# KiCad board 2000ATX.kicad_pcb (continued)
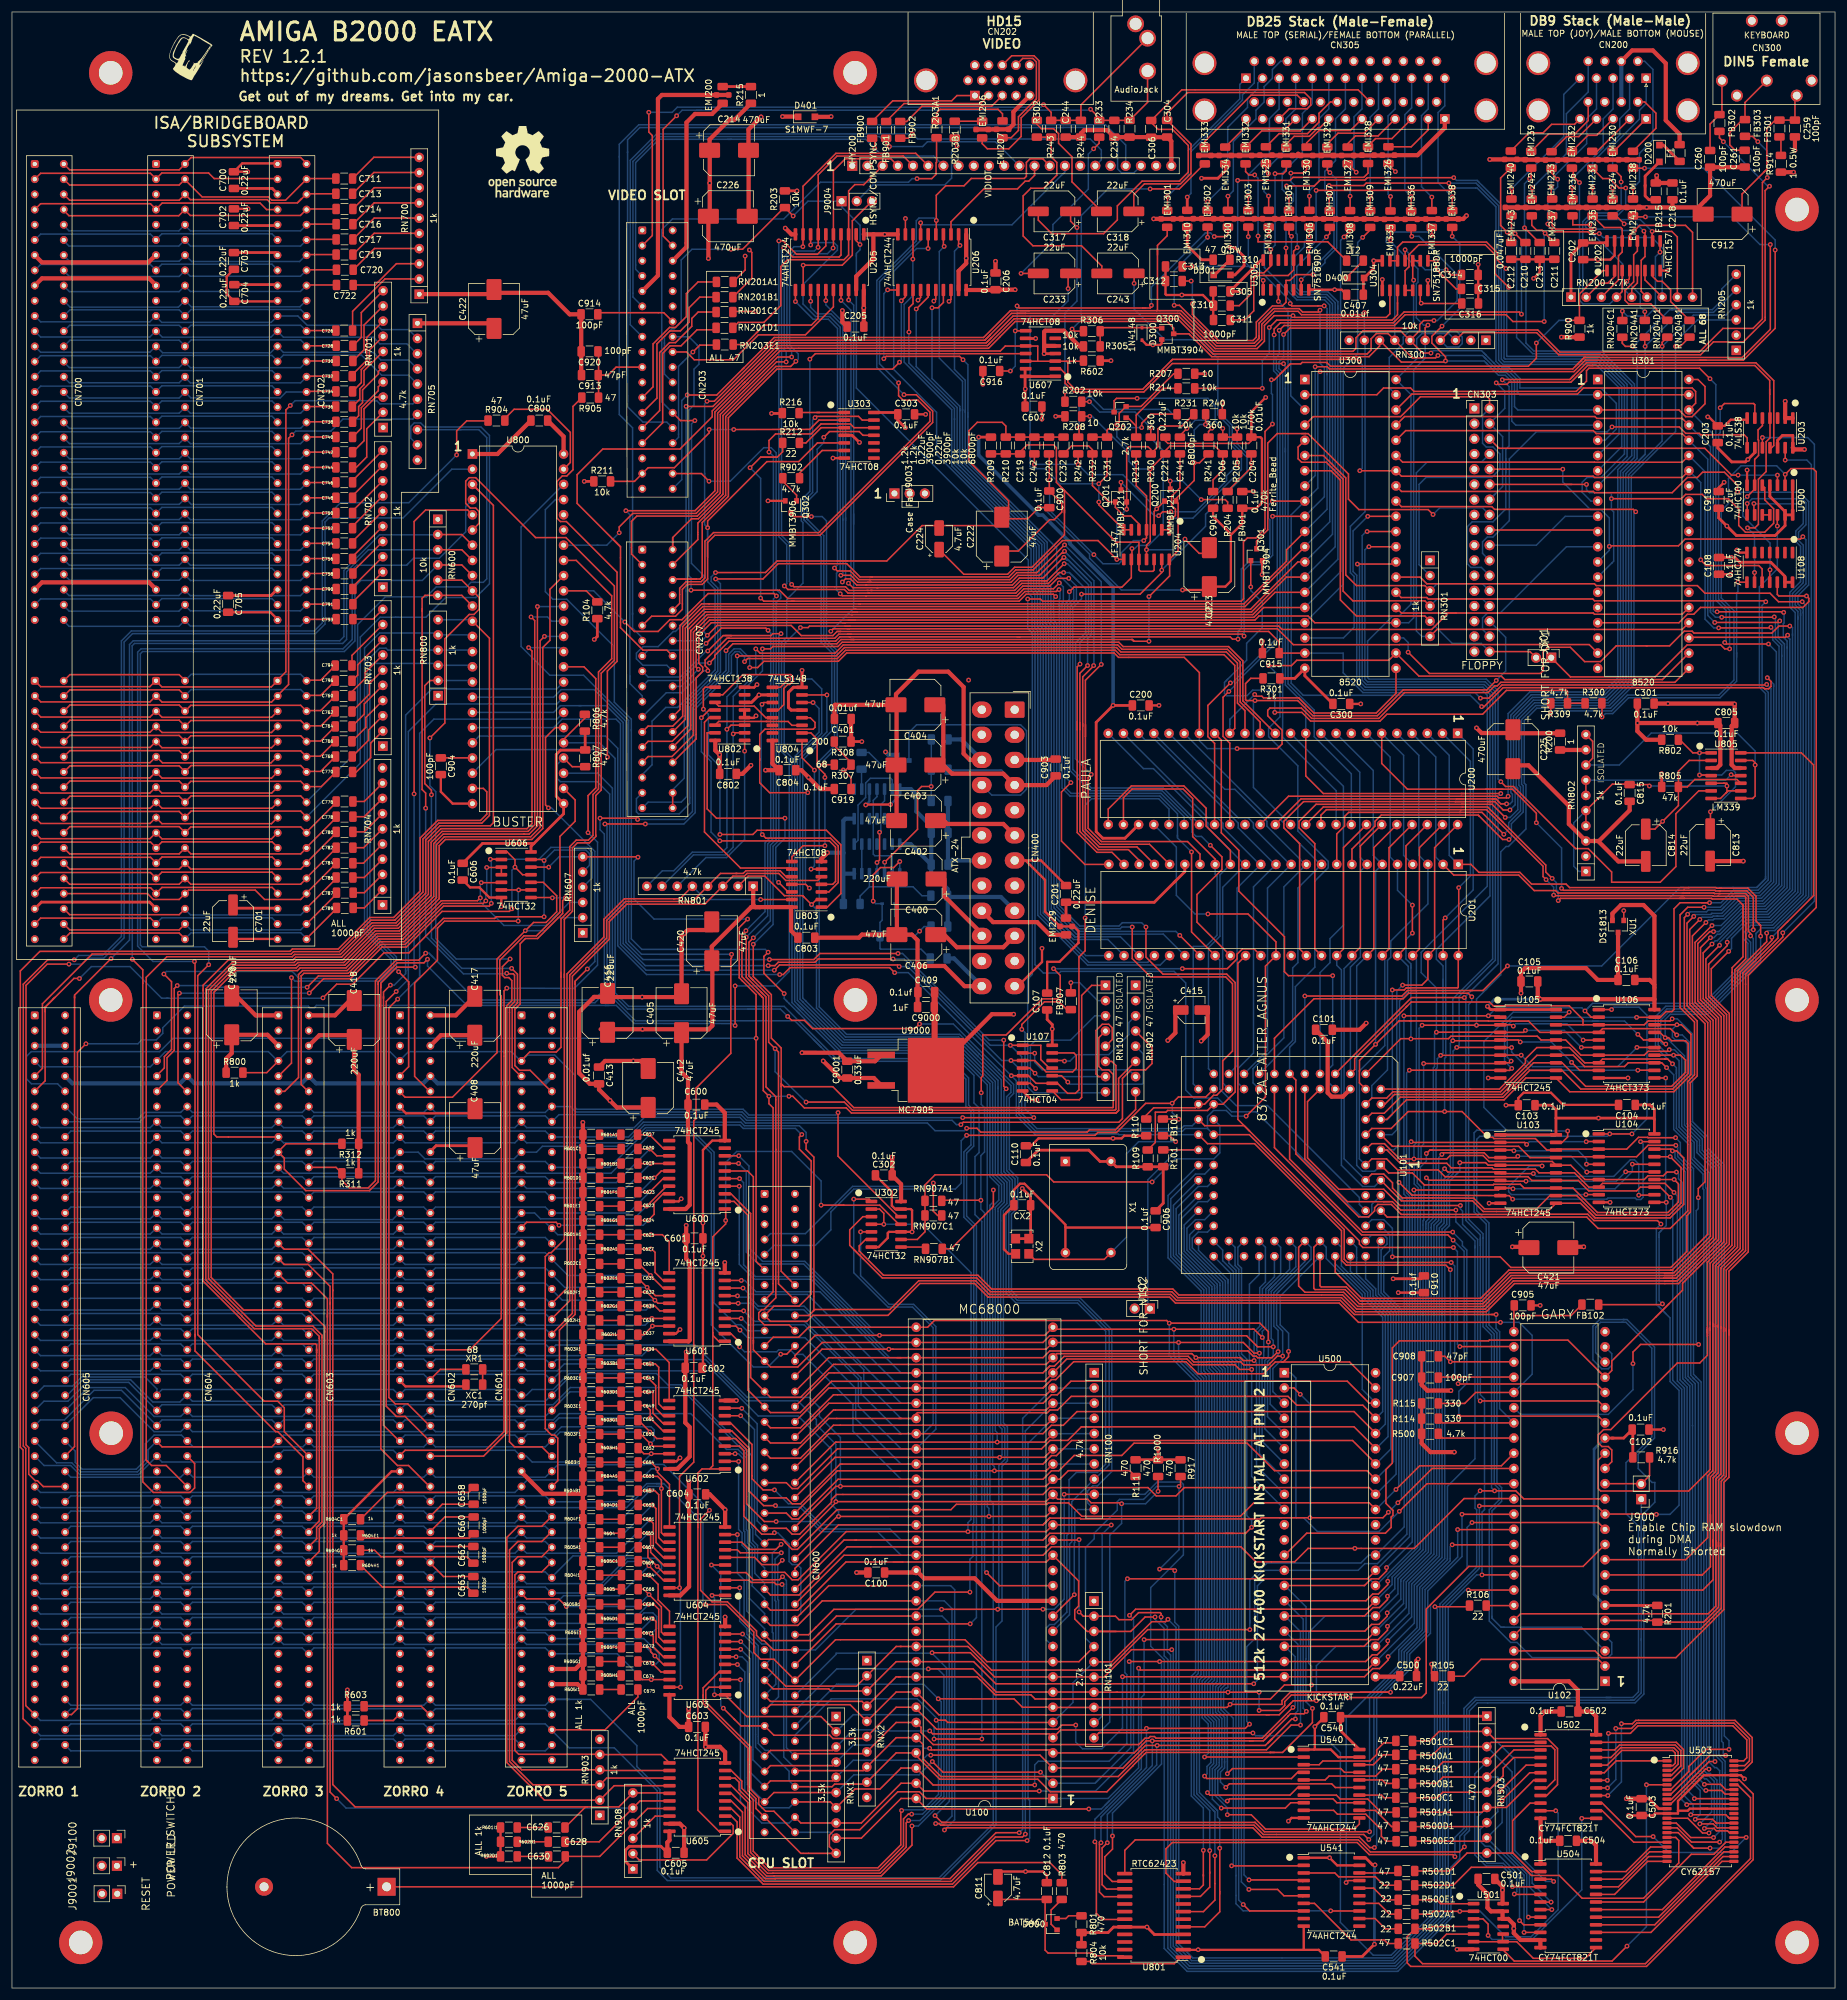
[diagram p0: board, top side]
## Routing (per net, layer and track width the routed paths; a pad name or vN(x,y) marks a point on that pad's centre or on a via; arc(x,y) is an arc through that point) (continued)
  Bottom w0.25: 44.4,246.48 43.47,247.41 25.06,247.41 24.08,246.43 23.15,247.36 4.79,247.36 CN700.B24
Net-(CN700-PadB25): length 42.2
  Bottom w0.25: 44.4,243.94 43.47,244.87 25.06,244.87 24.08,243.89 23.15,244.82 4.79,244.82 CN700.B25
Net-(CN700-PadB26): length 42.2
  Bottom w0.25: 44.4,241.4 43.47,242.33 25.06,242.33 24.08,241.35 23.15,242.28 4.79,242.28 CN700.B26
Net-(CN700-PadB27): length 42.2
  Bottom w0.25: 44.4,238.86 43.47,239.79 25.06,239.79 24.08,238.81 23.15,239.74 4.79,239.74 CN700.B27
Net-(CN700-PadB28): length 42.2
  Bottom w0.25: 44.4,236.32 43.47,237.25 25.06,237.25 24.08,236.27 23.15,237.2 4.79,237.2 CN700.B28
Net-(CN700-PadB30): length 42.2
  Bottom w0.25: CN700.B30 4.79,232.12 23.15,232.12 24.08,231.19 25.06,232.17 43.47,232.17 44.4,231.24
Net-(CN700-PadC9): length 136.9
  Top w0.25: CN700.C9 9.69,199.15 27.95,199.15 28.93,198.17 29.96,199.2 48.27,199.2 49.25,198.22
  Bottom w0.25: 77.1,234.89 76.74,234.89 75.98,234.13 70.93,234.13 69.27,232.46 62.42,232.46 57.78,227.83 57.78,206.76 49.25,198.22 ; 77.1,234.89 77.53,234.89 ; 77.1,234.89 78.81,234.89 79.38,235.47 79.38,259.07 78.05,260.4 74.55,260.4 ; 74.55,260.4 RN705.8 ; 74.55,260.4 75.11,260.4
Net-(CN700-PadC10): length 144.9
  Top w0.25: CN700.C10 9.69,196.61 27.95,196.61 28.93,195.63 29.96,196.66 48.27,196.66 49.25,195.68
  Bottom w0.25: 74.81,260.85 69.01,260.85 68.33,261.53 67.25,261.53 66.67,260.94 66.67,258.99 RN705.9 ; 74.81,260.85 75.29,260.85 ; 74.81,260.85 78.42,260.85 79.83,259.44 79.83,234.65 78.57,233.39 78.56,233.39 77.53,232.35 72.5,232.35 69.2,229.06 64.08,229.06 ; 64.08,229.06 61.56,229.06 58.23,225.74 58.23,204.67 49.25,195.68 ; 64.08,229.06 64.59,229.06
Net-(CN700-PadD1): length 111.2
  Top w0.25: 46.56,264.46 v1(46.53,264.44) 45.8,263.7 45.8,219.94 44.4,218.54 ; 24.08,218.4 25.06,217.42 43.37,217.42 44.4,218.45 ; CN700.D1 4.79,217.46 23.05,217.46 24.08,218.49
  Bottom w0.25: v1(46.53,264.44) 47.34,265.24 60.98,265.24 61.51,264.71 67.02,264.71 RN705.6
Net-(CN700-PadD2): length 109.2
  Top w0.25: v1(46.81,259.54) 46.25,258.97 46.25,217.82 44.42,216 ; 24.1,215.86 25.08,214.88 43.39,214.88 44.42,215.91 ; CN700.D2 4.82,214.92 23.07,214.92 24.1,215.95
  Bottom w0.25: RN705.7 67.02,262.17 55.34,262.17 53.33,260.16 47.44,260.16 v1(46.81,259.54)
Net-(CN700-PadD3): length 42.3
  Top w0.25: 24.1,213.32 25.08,212.34 43.39,212.34 44.42,213.37 ; CN700.D3 4.82,212.38 23.07,212.38 24.1,213.41
Net-(CN700-PadD4): length 42.3
  Top w0.25: 24.1,210.78 25.08,209.8 43.39,209.8 44.42,210.83 ; CN700.D4 4.82,209.84 23.07,209.84 24.1,210.87
Net-(CN700-PadD5): length 42.3
  Top w0.25: 24.1,208.24 25.08,207.26 43.39,207.26 44.42,208.29 ; CN700.D5 4.82,207.3 23.07,207.3 24.1,208.33
Net-(CN700-PadD6): length 42.3
  Top w0.25: 44.42,205.84 43.31,204.73 25.16,204.73 24.1,205.79 23.07,204.76 4.82,204.76 CN700.D6
Net-(CN700-PadD7): length 42.3
  Top w0.25: 24.1,203.16 25.08,202.18 43.39,202.18 44.42,203.21 ; CN700.D7 4.82,202.22 23.07,202.22 24.1,203.25
Net-(CN700-PadD8): length 42.2
  Top w0.25: CN700.D8 4.79,199.68 23.05,199.68 24.08,200.71 ; CN701.D8 25.06,199.68 43.42,199.68 CN702.D8
Net-(CN700-PadD9): length 42.2
  Top w0.25: CN700.D9 4.82,197.14 23.07,197.14 24.1,198.17 ; CN701.D9 25.08,197.14 43.44,197.14 CN702.D9
Net-(CN700-PadD10): length 42.3
  Top w0.25: 24.1,195.54 25.08,194.56 43.39,194.56 44.42,195.6 ; CN700.D10 4.82,194.6 23.07,194.6 24.1,195.63
Net-(CN700-PadD11): length 42.3
  Top w0.25: 24.1,193 25.08,192.02 43.39,192.02 44.42,193.06 ; CN700.D11 4.82,192.06 23.07,192.06 24.1,193.09
Net-(CN700-PadD12): length 42.2
  Top w0.25: CN700.D12 4.82,191.48 23.18,191.48 24.1,190.55 25.08,191.53 43.5,191.53 44.42,190.6
Net-(CN700-PadD13): length 42.2
  Top w0.25: CN700.D13 4.82,188.94 23.18,188.94 24.1,188.01 25.08,188.99 43.5,188.99 44.42,188.06
Net-(CN700-PadD14): length 42.2
  Top w0.25: CN700.D14 4.79,186.4 23.15,186.4 24.08,185.47 25.06,186.45 43.47,186.45 44.4,185.52
Net-(CN700-PadD15): length 42.2
  Top w0.25: CN700.D15 4.82,183.86 23.18,183.86 24.1,182.93 25.08,183.91 43.5,183.91 44.42,182.98
Net-(CN700-PadD17): length 42.2
  Top w0.25: CN700.D17 4.79,178.78 23.15,178.78 24.08,177.85
  Bottom w0.25: 44.4,177.9 43.47,178.83 25.06,178.83 24.08,177.85
Net-(D200-Pad1): length 4.5
  Top w0.457: D200.1 276.09,307.95 F1.1
Net-(D200-Pad2): length 9
  Top w0.25: D200.2 275.43,305.15
  Top w0.457: 273.05,301.24 273.05,302.77 275.43,305.15 ; 273.05,301.24 273.05,300.99 ; 273.05,301.24 273.05,299.47 273.69,298.83 FB215.2
Net-(D300-Pad1): length 13.1
  Top w0.25: R305.1 R306.2 182.54,277.45 D300.1 192.14,277.45 Q300.1
Net-(D301-Pad1): length 3.8
  Top w0.25: D301.1 201.09,286.26
  Top w0.457: 201.09,286.26 R310.2
Net-(D400-Pad1): length 4
  Top w0.25: D400.1 223.27,285.98 F2.1
  Top w0.457: 225.95,288.63 F2.1
Net-(D401-Pad2): length 77
  Top w0.25: 136.91,312.67 v1(136.96,312.72)
  Top w0.457: EMI334.2 202.84,303.63 201.63,302.41 v1(198.88,302.41)
  Top w0.7: D401.2 136.91,312.67
  In2.Cu w0.6: 198.97,302.41 v1(198.88,302.41)
  In2.Cu w0.7: v1(198.88,302.41) 198.88,306.3 192.46,312.72 v1(136.96,312.72)
Net-(D800-Pad1): length 6.3
  Top w0.25: D800.1 174.69,9.72 173.74,10.67 173.74,13.03 R803.2
Net-(D800-Pad2): length 4.3
  Top w0.25: D800.2 176.21,11.62 176.66,12.07 R801.2
Net-(D9100-Pad2): length 310
  In1.Cu w0.25: J9100.1 17.55,28.22 4.37,28.22 1.47,31.12 1.47,44.52 ; v1(151.75,176.61) 149.92,174.78 126.72,174.78 118.05,166.12 118.05,160.34 98.95,141.23 3.92,141.23 1.47,138.78 1.47,44.52 ; 1.47,44.52 1.47,44
  Bottom w0.25: D9100.2 147.58,179.1 147.92,178.76 R9101.2 150.89,175.75 v1(151.75,176.61) 152.51,177.37 R9100.2
Net-(EMI200-Pad2): length 5.6
  Top w0.457: 118.36,317.73 123.95,317.73
Net-(EMI206-Pad1): length 4.6
  Top w0.25: EMI206.1 162.18,311.94 R203B1.1
Net-(EMI207-Pad1): length 14.1
  Top w0.25: EMI207.1 165.61,313.18 164.85,313.94 155.19,313.94 154.58,313.33 R203A1.1
Net-(EMI230-Pad1): length 34.8
  Top w0.25: U202.2 267.94,286.01 266.82,284.89 265.53,284.89 RN200.2 ; EMI230.1 269.04,302.69 v1(269.04,301.8)
  Bottom w0.25: v1(269.04,301.8) 269.04,297.41 268.24,296.61 264.07,296.61 262.63,295.17 262.63,283.12 RN200.2 263.08,282.67
Net-(EMI231-Pad1): length 42.3
  Top w0.25: EMI231.1 265.96,302.36 267.11,302.36 268.69,300.79 v1(269.8,300.79) ; RN200.5 270.81,283.97 271.75,284.91 U202.5
  Bottom w0.25: 269.28,284.09 269.28,287.95 ; 269.28,284.09 RN200.5 ; 269.28,284.09 269.28,288.09 263.08,294.29 263.08,294.99 264.26,296.16 268.43,296.16 269.8,297.54 v1(269.8,300.79)
Net-(EMI232-Pad1): length 34.4
  Top w0.25: RN200.4 269.21,283.49 U202.3 ; EMI232.1 261.05,303.87 261.05,302.72 v1(262.07,301.69)
  Bottom w0.25: RN200.4 267.15,281.42 262.65,281.42 262.07,282.01 v1(262.07,301.69)
Net-(EMI233-Pad1): length 45.8
  Top w0.25: v1(265.38,293.17) 263.8,293.17 263.5,293.46 257.89,293.46 256.78,294.58 v1(256.78,294.78) ; v1(258.42,302.26) 257.4,303.28 EMI233.1 ; RN200.7 273.02,285.42 U202.6
  Bottom w0.25: v1(256.78,294.78) 256.78,299.34 258.42,300.98 v1(258.42,302.26) ; RN200.7 275.89,289.35 276.26,289.72 276.26,290.42 274.17,292.51 268.12,292.51 ; 268.12,292.51 266.04,292.51 v1(265.38,293.17) ; 268.12,292.51 267.72,292.51
Net-(EMI234-Pad1): length 18
  Top w0.25: v1(269.54,294.79) 268.2,296.14 EMI234.1 ; RN200.6 272.4,283.5 272.4,288.7 273.02,289.32 U202.11 273.02,293.4 v1(272.85,293.57)
  Bottom w0.25: v1(272.85,293.57) 271.63,294.79 v1(269.54,294.79)
Net-(EMI235-Pad1): length 18.7
  Top w0.25: EMI235.1 266.21,294.18 268.99,294.18 269.21,293.95 U202.14 269.21,290.09 268.59,289.47 268.59,285.4 RN200.3
Net-(EMI236-Pad1): length 32.2
  Top w0.25: RN200.8 278.43,292.61 277.51,293.53 v1(274.22,293.53) 274.22,292.01 U202.10 ; v1(263.8,294.64) 260.96,294.64 260.96,296.08 EMI236.1
  Bottom w0.25: v1(274.22,293.53) 272.23,295.52 264.68,295.52 v1(263.8,294.64)
Net-(EMI237-Pad1): length 39.4
  Top w0.25: 271.41,293.84 v1(271.26,293.69) 270.48,292.91 U202.13 ; 271.41,293.84 271.43,293.84 272.14,294.54 279.81,294.54 280.97,293.37 RN200.9 ; 271.41,293.84 271.56,293.98 ; v1(264.57,293.93) 264.55,293.91 258.08,293.91 257.51,294.49 EMI237.1
  Bottom w0.25: 264.58,293.91 268.95,293.91 269.18,293.69 v1(271.26,293.69)
Net-(EMI310-Pad2): length 8.6
  Top w0.25: 200.91,288.04 201.09,288.04 ; EMI310.2 196.52,294.26
  Top w0.457: R310.1 198.88,288.8 196.49,291.19 EMI310.2
Net-(EMI332-Pad2): length 30.6
  Top w0.25: EMI332.2 206.25,303.53 206.81,302.97 v1(207.77,302.97) ; v1(208.33,292.75) 208.33,291.8 219.99,291.8 F2.2
  Bottom w0.25: v1(207.77,302.97) 208.33,302.41 v1(208.33,292.75)
Net-(EMI333-Pad2): length 45.9
  Top w0.25: R306.1 177.6,276.86 v1(177.24,277.22) ; v1(190.3,300.63) 195.17,300.63 199.36,304.82 EMI333.2
  Bottom w0.25: v1(190.3,300.63) 183.24,300.63 178.78,296.18 178.78,278.75 v1(177.24,277.22)
Net-(FB101-Pad1): length 43.8
  Top w0.25: X2.3 170.93,121.76 182.62,121.76 X1.8 ; FB101.1 193.58,142.41 v1(194.56,141.43)
  Bottom w0.25: X1.8 186.33,125.48 186.33,139.4 188.37,141.43 v1(194.56,141.43)
Net-(FB301-Pad2): length 3.2
  Top w0.25: FB301.2 295.76,309.07 R914.2
Net-(FB303-Pad2): length 118.8
  Top w0.25: v1(291.89,308.53) 291.01,309.41 FB303.2 289.7,309.36 ; v1(293.47,302.53) 292.66,301.72 292.66,278.89 291.09,277.32 286.06,277.32 282.11,273.37 258.79,273.37 255.1,277.06 240.54,277.06 RN300.4
  Bottom w0.25: v1(293.47,302.53) 293.47,306.95 v1(291.89,308.53) ; U300.39 230.27,267.37 230.27,272.46 232.61,274.8 232.61,275.88 233.64,276.91 241.44,276.91 242.48,275.88 242.48,274.8 241.89,274.21 239.94,274.21 RN300.4
Net-(FB907-Pad2): length 8.7
  Top w0.25: FB907.2 v1(177.04,168)
  Bottom w0.25: v1(177.04,168) 178.51,168 181.51,165 RN102.2
Net-(J102-Pad1): length 38.1
  Top w0.25: R101.1 U101.41
  Bottom w0.25: U101.41 194.91,140.06 189.9,135.04 189.9,113.88 J102.1
Net-(J301-Pad1): length 83.5
  Top w0.25: J301.1 260.57,219.09 260.57,219.09 274.73,219.09 280.07,224.43 285.69,224.43 286.35,223.77 v1(287.17,223.77) ; v1(285.6,264.06) 286.31,264.77 291.19,264.77 291.39,264.57 291.39,262.06
  Bottom w0.25: v1(287.17,223.77) 287.17,230.25 285.32,232.1 285.32,259.62 285.6,259.89 v1(285.6,264.06)
Net-(J900-Pad2): length 11.1
  Top w0.25: U102.14 272.34,84.28 J900.2 273.79,85.63 R916.1
Net-(JP9004-Pad2): length 24.7
  Top w0.25: v1(158.02,307.8) 158.02,308.75 R203B1.2
  Bottom w0.25: v1(158.02,307.8) 157.09,306.87 157.09,302.43 155.96,301.3 143.96,301.3 J9004.2
Net-(Q200-Pad3): length 13.4
  Top w0.25: v1(198.83,248.72) 202.84,248.72 203.25,248.31 R204.2 ; Q200.3 v1(193.65,251.82)
  Bottom w0.25: v1(198.83,248.72) 195.73,251.82 v1(193.65,251.82)
Net-(Q201-Pad3): length 30.2
  Top w0.25: v1(191.72,246.02) 192.38,246.68 v1(193.75,246.68) ; Q201.3 v1(185.42,251.61) ; R205.2 v1(204.83,254.46)
  Bottom w0.25: v1(191.72,246.02) 191.01,246.02 189.84,247.19 ; 189.84,247.19 v1(185.42,251.61) ; 189.84,247.19 190.75,246.28 ; v1(193.75,246.68) 197.87,246.68 203.07,251.89 203.07,252.7 v1(204.83,254.46)
Net-(Q202-Pad1): length 14.4
  Top w0.25: R213.2 187.96,261.01 ; 187.96,261.01 186.62,262.35 ; 187.96,261.01 187.96,262.84 192.43,267.31 R214.2
Net-(Q301-Pad1): length 95
  Top w0.25: v1(211.12,213.16) 215.67,213.16 217.12,211.71 228.72,211.71 229.87,212.85 245.87,212.85 249.86,216.84 259.92,216.84 260.07,216.68 R309.1 R300.1 ; 207.11,238.43 v1(207.11,234.13)
  Bottom w0.25: 210.57,216.66 210.35,216.88 207.42,216.88 206.48,215.94 203.11,215.94 202.73,216.31 202.73,218.18 203.22,218.67 ; 210.57,216.66 211.12,216.1 v1(211.12,213.16) ; 210.57,216.66 210.4,216.83 ; 203.22,218.67 202.98,218.43 ; 203.22,218.67 206.42,221.87 206.42,224.71 209.03,227.31 209.03,231.6 207.11,233.52 v1(207.11,234.13)
Net-(Q302-Pad1): length 5.3
  Top w0.25: 129.25,251.97 128.87,252.35 ; R902.1 128.87,251.77 131.18,249.46 Q302.1
Net-(Q302-Pad3): length 50.8
  Top w0.25: R307.2 v1(135.69,204.42) ; 130.2,246.42 130.75,245.87 v1(133.65,245.87)
  Bottom w0.25: v1(135.69,204.42) 135.69,205.11 137.97,207.39 137.97,223.49 136.18,225.28 136.18,245.15 135.45,245.88 133.6,245.88
Net-(Q9100-Pad1): length 6.9
  Bottom w0.25: R9104.1 143.26,206.46 145.56,204.17 Q9100.1
Net-(R105-Pad2): length 27.7
  Top w0.25: 240.93,52.38 R105.2 242.8,52.1 245.63,54.92 265.22,54.92 U102.2
Net-(R106-Pad2): length 4.6
  Top w0.25: U102.43 251.05,63.91 R106.2
Net-(R202-Pad2): length 112.5
  Top w0.25: v1(176.78,233.32) 177.55,234.09 185.57,234.09 187.15,235.66 U204.9 187.25,238.83 v1(187.25,240.54) ; R230.2 v1(190.4,260.71) ; R202.2 v1(180.14,265.07)
  Bottom w0.25: U200.30 195.99,195.74 192.09,199.63 177.08,199.63 176.02,200.69 176.02,231.23 176.43,231.64 ; 176.43,231.64 176.64,231.85 ; 176.43,231.64 176.78,231.99 ; 176.64,231.85 176.64,231.86 ; 176.64,231.85 176.78,231.99 ; v1(180.14,265.07) 181.86,263.35 187.76,263.35 v1(190.4,260.71) 190.4,258.98 192.47,256.9 192.47,243.5 190.04,241.06 188.23,241.06 187.71,240.54 v1(187.25,240.54) ; 176.78,231.99 v1(176.78,233.32)
Net-(R212-Pad2): length 8.6
  Top w0.25: U303.3 135.28,260.73 132.74,258.19 R212.2
Net-(R216-Pad2): length 8
  Top w0.25: R216.2 131.7,263.27 134.98,263.27 ; 134.98,263.27 U303.1 ; 134.98,263.27 134.57,263.27
Net-(R240-Pad2): length 109.7
  Top w0.25: U204.13 v1(192.23,236.93) 192.23,236.52 188.62,232.92 v1(178.82,232.92) ; R240.2 202.36,264.89
  Bottom w0.25: v1(202.34,264.92) 202.34,262.79 204.01,261.11 204.01,258.24 206.49,255.76 206.49,253.2 199.56,246.26 199.56,244.26 v1(192.23,236.93) ; 178.58,231.88 177.37,230.67 177.37,203.61 180.45,200.53 192.46,200.53 198.53,194.47 U200.31 ; 178.58,231.88 178.82,232.12 v1(178.82,232.92) ; 178.58,231.88 178.71,232.02
Net-(R300-Pad2): length 46.1
  Top w0.25: U108.8 v1(288.56,234.91) ; R300.2 265.84,214.66 v1(265.84,212.39)
  Bottom w0.25: 288.35,222.4 288.35,223.11 ; 288.35,223.11 288.35,218.37 285.58,215.6 270.27,215.6 267.63,212.96 266.4,212.96 v1(265.84,212.39) ; 288.35,223.11 288.35,233.13 288.56,233.34 v1(288.56,234.91)
Net-(R309-Pad2): length 325.6
  Top w0.25: v1(257.2,212.9) 257.27,212.98 R309.2 ; U102.46 264.68,56.34 265.8,55.21 278.2,55.21 284.59,61.61 284.59,61.63 286.21,63.25 286.21,73.14 ; 287.06,109.13 287.06,109.98 ; 287.06,109.13 287.06,85.34 286.21,84.49 286.21,73.14 ; 287.06,109.13 287.06,119.79 290.29,123.02 290.29,169.21 301.66,180.58 301.66,253.38 301.14,253.9 297.43,253.9 v1(296.47,252.93) 296.44,252.91 U900.2 ; 286.21,73.14 286.21,73.97
  Bottom w0.25: v1(296.47,252.93) 295.03,254.37 289.08,254.37 286.98,252.27 286.98,248.07 285.77,246.86 285.77,232.29 287.9,230.16 287.9,218.56 285.39,216.05 270.09,216.05 267.45,213.41 257.71,213.41 v1(257.2,212.9)
Net-(R500A1-Pad2): length 6.8
  Top w0.25: U540.18 227.61,37.31 229.26,38.96 R500A1.2
Net-(R500B1-Pad2): length 6.3
  Top w0.25: U540.16 229.08,34.77 229.67,34.19 R500B1.2
Net-(R500C1-Pad2): length 6.3
  Top w0.25: U540.14 228.98,32.23 229.41,31.8 R500C1.2
Net-(R500D1-Pad2): length 8.3
  Top w0.25: 226.29,29.69 U540.12 227.94,29.69 230.66,26.97 R500D1.2
Net-(R500E1-Pad2): length 7.3
  Top w0.25: U541.16 227.66,16.69 229.62,14.73 R500E1.2
Net-(R500E2-Pad2): length 18.2
  Top w0.25: U540.9 220.96,29.69 221.6,29.05 226.35,29.05 228.96,26.44 228.96,25.35 229.77,24.54 R500E2.2
Net-(R501A1-Pad2): length 16.6
  Top w0.25: R501A1.2 228.9,29.36 226.68,31.59 222.07,31.59 221.43,32.23 U540.7
Net-(R501B1-Pad2): length 16.1
  Top w0.25: U540.5 219.56,34.77 220.2,35.42 228,35.42 229.16,36.58 R501B1.2
Net-(R501C1-Pad2): length 17.5
  Top w0.25: U540.3 218.54,37.31 219.17,37.94 227.08,37.94 228.16,39.02 228.16,39.78 229.36,40.97 231.04,40.97 R501C1.2
Net-(R501D1-Pad2): length 6.6
  Top w0.25: U541.18 231.39,19.23 R501D1.2
Net-(R502A1-Pad2): length 7.2
  Top w0.25: U541.14 228.52,14.15 230.33,12.34 R502A1.2
Net-(R502B1-Pad2): length 7.2
  Top w0.25: U541.12 227.91,11.61 229.63,9.9 R502B1.2
Net-(R502C1-Pad2): length 18.6
  Top w0.25: R502C1.2 230.02,7.44 229.42,8.04 223.88,8.04 217.77,14.15 U541.7
Net-(R502D1-Pad2): length 16.6
  Top w0.25: U541.3 221.18,19.23 221.82,18.58 227.95,18.58 229.36,17.17 R502D1.2
Net-(R804-Pad2): length 17.1
  Top w0.25: 195.35,5.11 194.31,4.06 180.59,4.06 180.22,4.44 R804.2
Net-(R902-Pad2): length 9.9
  Top w0.25: U303.6 135.46,256.92 131.67,253.13 R902.2
Net-(R904-Pad2): length 20.1
  Top w0.25: U800.47 93.35,254.92 93.35,259.95 89.5,263.8 83.95,263.8 82.4,262.26 R904.2
Net-(R905-Pad2): length 92.6
  Top w0.25: 95.4,265.63 R905.2 93.8,264.29 93.8,253.71 92.77,252.67 92.02,252.67 91.1,251.76 91.1,245.64 91.69,245.05 92.69,245.05 101.17,236.58 101.17,221.69 99.55,220.07 v1(99.55,205.69)
  Bottom w0.25: U800.22 80.94,206.95 98.29,206.95 v1(99.55,205.69)
Net-(R9104-Pad2): length 4
  Bottom w0.25: 142.04,200.34 142.04,203.66 R9104.2 142.55,204.17
Net-(RN100-Pad8): length 255.7
  Top w0.25: 144.05,259.41 U303.11 142.28,259.46 141.65,260.09 136.68,260.09 v1(135.73,259.13)
  Bottom w0.25: 133.15,245.26 132.87,245.53 ; 132.87,245.53 132.87,248.29 134.62,250.04 134.62,257.13 135.73,258.24 v1(135.73,259.13) ; 132.87,245.53 135.73,242.67 135.73,225.1 137.52,223.31 137.52,207.58 134.96,205.02 134.96,163.95 139.55,159.36 158.45,159.36 161.69,156.12 161.71,156.12 167.01,150.81 167.01,149.66 166.3,148.95 166.3,136.6 167.7,135.2 167.7,130.54 166.65,129.5 166.65,116.35 168.1,114.9 178.34,114.9 183.44,109.81 183.44,87.43 181.05,85.04 RN100.8 177.18,81.27 177.18,74.57 176.82,74.2 176.82,62.39 U100.12
Net-(RN102-Pad1): length 27.4
  Top w0.25: 173.92,149.91 175.4,148.44 178.46,148.44 178.84,148.82 178.84,165.86 180.52,167.54 RN102.1
Net-(RN102-Pad3): length 24.7
  Top w0.25: U107.6 170.28,151.18 v1(171.15,150.32)
  Bottom w0.25: v1(171.15,150.32) 170.27,151.19 170.27,157.49 171.17,158.39 176.99,158.39 181.05,162.46 RN102.3
Net-(RN102-Pad5): length 30.4
  Top w0.25: v1(171.04,152.86) 170.18,153.72 U107.4 ; RN102.7 181.7,152.3 181.25,152.74 181.25,160.01 182.29,161.04 183.37,161.04 183.95,160.46 183.95,158.5 RN102.5
  Bottom w0.25: RN102.7 171.6,152.3 v1(171.04,152.86)
Net-(RN203E1-Pad2): length 21
  Top w0.25: U205.14 134.77,283.72 134.77,278.99 133.65,277.88 125.78,277.88 124.65,276.75 ; RN203E1.2 122.53,274.62 124.65,276.75 ; 124.65,276.75 124.46,276.56
Net-(RN204A1-Pad1): length 10
  Top w0.25: v1(270,285.19) 270.41,285.6 270.41,286.91 U202.4 270.31,286.81 ; RN204A1.1 v1(273,280.11)
  Bottom w0.25: v1(270,285.19) 272.23,282.96 272.23,280.88 v1(273,280.11)
Net-(RN204B1-Pad1): length 11.3
  Top w0.25: RN204B1.1 277.31,281.82 277.31,283.78 275.89,285.19 275.11,285.19 274.29,286.01 U202.7
Net-(RN204C1-Pad1): length 19.5
  Top w0.25: U202.9 275.54,291.91 v1(275.54,290.07) ; RN204C1.1 v1(269.24,280.21)
  Bottom w0.25: v1(275.54,290.07) 274.77,289.3 274.77,280.81 273.35,279.39 270.07,279.39 v1(269.24,280.21)
Net-(RN204D1-Pad1): length 19.2
  Top w0.25: U202.12 271.75,290.25 271.13,289.62 271.13,285.1 269.69,283.66 269.69,282.01 270.27,281.42 274,281.42 RN204D1.1
Net-(RN802-Pad6): length 28.9
  Top w0.25: v1(287.43,202.74) 287.58,202.59 U805.11 ; RN802.6 RN802.7
  Bottom w0.25: v1(287.43,202.74) 286.51,201.83 RN802.7
Net-(RN802-Pad10): length 50.8
  Top w0.25: RN802.8 264.27,205.49 264.27,208.32 RN802.10 ; U805.8 291.03,198.78 291.44,199.19 291.44,204.72 291.03,205.13 U805.13
  Bottom w0.25: RN802.8 268.73,204.37 274.07,209.7 288.44,209.7 291.44,206.71 v1(291.44,204.37)
Net-(RN902-Pad3): length 18.3
  Top w0.25: 173.92,154.99 175.87,154.99 v1(175.97,154.89)
  Bottom w0.25: v1(175.97,154.89) 176.89,154.89 177.96,155.96 183.37,155.96 186.73,159.33 186.73,161.33 RN902.3
Net-(RN902-Pad5): length 22.5
  Top w0.25: 173.92,152.45 175.46,152.45 v1(176.53,151.38)
  Bottom w0.25: v1(176.53,151.38) 176.89,151.03 188.93,151.03 189.13,151.23 189.13,156.11 RN902.5
Net-(RN902-Pad7): length 21.4
  Top w0.25: U107.2 169.03,156.21 v1(170.99,156.21)
  Bottom w0.25: v1(170.99,156.21) 170.99,154.69 172.26,153.42 186.73,153.42 RN902.7
Net-(RN907A1-Pad2): length 70.9
  Top w0.25: U302.9 151.35,125.08 152.65,126.38 RN907C1.2 RN907A1.2 152.65,134.2 154.33,135.89 172.97,135.89 174.17,134.7 v1(190.63,134.7)
  Bottom w0.25: 190.6,134.67 v1(190.63,134.7) 194.48,138.55 200.94,138.55 201.95,139.56 201.95,144.1 U101.38
Net-(RN907B1-Pad2): length 4.2
  Top w0.25: U302.8 152.45,123.81 RN907B1.2
Net-(RN908-Pad2): length 21.8
  Top w0.25: U605.2 120.25,27.46 120.58,27.13 120.58,25.84 116.14,21.41 104.86,21.41 RN908.2
Net-(RN908-Pad3): length 7.7
  Top w0.25: RN908.3 107.54,28.73 U605.18
Net-(U101-Pad19): length 96.6
  Top w0.25: U101.19 216.6,148.13 216.6,138.71 221.84,133.47 229.35,133.47 232.06,130.76 v1(242.16,130.76) ; U102.19 265.22,98.1 v1(245.47,98.1)
  Bottom w0.25: v1(245.47,98.1) 245.04,98.53 245.04,125.09 242.53,127.61 242.53,129.83 242.16,130.19 v1(242.16,130.76)
Net-(U101-Pad20): length 164.6
  Top w0.25: v1(216.15,165.76) 232.39,165.76 233.31,166.68 234.79,166.68 ; 234.79,166.68 243.78,166.68 ; 234.79,166.68 233.89,166.68 ; 243.78,166.68 244.16,166.68 ; 243.78,166.68 245.93,166.68 v1(250.04,170.79) ; v1(295.15,244.3) 295.15,246.14 U900.12
  Bottom w0.25: 292.16,224.53 292.16,224.69 ; 292.16,224.53 292.16,217.33 293.19,216.3 293.19,185.7 ; 292.16,224.53 292.16,234.14 295.15,237.13 v1(295.15,244.3) ; U101.20 v1(216.15,165.76) ; 291.74,183.94 293.19,185.39 293.19,185.7 ; 287.78,183.9 291.74,183.9 293.19,185.34 293.19,185.7 ; 287.78,183.9 287.65,183.9 ; 287.78,183.9 278.89,183.9 265.79,170.79 v1(250.04,170.79)
Net-(U101-Pad23): length 101.2
  Top w0.25: v1(240.87,126.32) 225.82,126.32 213.61,138.52 U101.23 ; U102.18 265.22,95.56 241.94,95.56 v1(241.91,95.53)
  Bottom w0.25: v1(241.91,95.53) 241.91,99.72 243.24,101.05 243.24,123.31 242.5,124.05 242.5,124.69 v1(240.87,126.32)
Net-(U101-Pad25): length 96.4
  Top w0.25: v1(241.78,100.99) 241.84,100.93 264.93,100.93 U102.20 ; U101.25 211.07,140.43 225.65,125.85 240.06,125.85 v1(240.94,124.97)
  Bottom w0.25: v1(240.94,124.97) 242.79,123.13 242.79,101.99 v1(241.78,100.99)
Net-(U102-Pad15): length 203.2
  Top w0.25: 283.46,108.97 283.46,105.73 282.18,104.44 278.43,104.44 267.3,93.31 266.09,93.31 265.22,92.44 265.22,91.09 265.83,90.48 266.9,90.48 267.47,89.91 267.47,87.94 U102.15 ; 283.46,108.97 283.46,109.32 ; 283.46,108.97 283.46,110.46 ; U900.8 290.12,246.19 v1(290.12,248.06) ; 283.46,109.32 283.46,121.28 286.66,124.48 286.66,162.67 283.66,165.68 283.66,171.08 286.77,174.19 v1(286.77,174.75) ; 283.46,109.32 283.46,110.08
  Bottom w0.25: 290.37,178.5 291.53,178.5 ; 291.53,178.5 289.95,178.5 286.77,175.32 v1(286.77,174.75) ; 291.53,178.5 293.98,178.5 298.59,183.11 298.59,228.74 ; 298.59,228.74 298.59,230.03 297.69,230.93 297.69,233.02 299.49,234.82 299.49,241.1 298.69,241.89 298.69,243.27 299.94,244.51 299.94,248.19 299.26,248.87 290.93,248.87 v1(290.12,248.06) ; 298.59,228.74 298.59,229.02 ; 298.59,229.02 298.59,228.96 ; 298.59,229.02 298.59,229.21
Net-(U102-Pad44): length 240
  Top w0.25: 296.47,257.11 v1(296.47,255.32) ; U102.44 252.23,62.54 283.59,62.54 284.86,63.81 284.86,73.59 ; 284.86,73.59 284.86,85.05 285.71,85.9 285.71,110.27 ; 284.86,73.59 284.86,74.7 ; v1(294.23,175.57) 294.23,175.06 288.94,169.77 288.94,168.56 288.94,123.58 285.71,120.35 285.71,110.27 ; 285.71,110.27 285.71,110.54
  Bottom w0.25: v1(294.23,175.57) 300.84,182.18 300.84,254.57 300.08,255.32 v1(296.47,255.32)
Net-(U102-Pad45): length 249.4
  Top w0.25: 285.76,74.29 285.76,73.88 ; v1(296.06,176.33) 296.06,175.62 289.84,169.4 289.84,167.71 289.84,123.21 286.61,119.98 286.61,109.83 ; v1(292.66,259.08) 292.66,257.11 ; 286.61,109.83 286.61,110.17 ; 286.61,109.83 286.61,85.53 285.76,84.68 285.76,73.88 ; 285.76,73.88 285.76,63.44 282.33,60 252.23,60 U102.45
  Bottom w0.25: v1(296.06,176.33) 301.35,181.61 301.35,257.96 300.23,259.08 v1(292.66,259.08)
Net-(U108-Pad11): length 30.5
  Top w0.25: v1(293.93,236.98) 293.88,236.93 U108.11 ; 292.66,262.06 292.66,261.09 291.93,260.36 291.93,258.73 292.01,258.65 292.01,256.09 291.36,255.44 U900.6 291.36,250.47 v1(290.12,249.22)
  Bottom w0.25: v1(290.12,249.22) 289.39,248.5 289.39,245.99 293.93,241.45 v1(293.93,236.98)
Net-(U201-Pad18): length 189.8
  Top w0.25: 143.78,233.54 143.56,233.54 ; 143.78,233.54 142.96,233.54 ; 143.78,233.54 167.64,233.54 168.81,234.71 173.29,234.71 175.1,236.52 v1(175.82,236.52) ; v1(180.44,202.79) 179.92,202.27 179.92,193.8 182.14,191.58 196.54,191.58 198.63,189.49 U201.18 ; v1(130.35,234.54) 130.75,234.14 139.36,234.14 139.97,233.54 143.14,233.54 ; U205.4 138.61,289.59 138.28,289.26 130.56,289.26 v1(129.03,290.78)
  Bottom w0.25: v1(175.82,236.52) 176.79,236.52 ; 176.79,236.52 179.54,233.77 179.54,226.5 177.82,224.77 177.82,205.42 v1(180.44,202.79) ; 176.79,236.52 178.41,234.91 ; v1(129.03,290.78) 128.66,290.41 128.66,242.71 129.98,241.39 129.98,235.01 130.35,234.65 v1(130.35,234.54)
Net-(U201-Pad20): length 162.8
  Top w0.25: 179.47,211.11 179.47,209.15 ; 179.47,209.15 179.47,218.53 v1(182.12,221.18) ; 179.47,209.15 179.47,193.61 181.95,191.13 190.18,191.13 U201.20 ; 143.5,235.34 141.6,235.34 140.15,236.79 137.99,236.79 v1(137.52,237.29) ; 143.5,235.34 166.84,235.34 168.01,236.51 171.34,236.51 v1(175.98,241.15) ; 143.5,235.34 143.31,235.34 ; U205.11 v1(130.99,281.81)
  Bottom w0.25: 138.02,245.67 138.02,245.47 ; 138.02,245.67 138.02,277.32 136.49,278.86 133.95,278.86 v1(130.99,281.81) ; 138.02,245.67 138.02,237.79 v1(137.52,237.29) ; v1(175.98,241.15) 182.12,235.01 v1(182.12,221.18)
